# KiCad board Engine.kicad_pcb (continued)
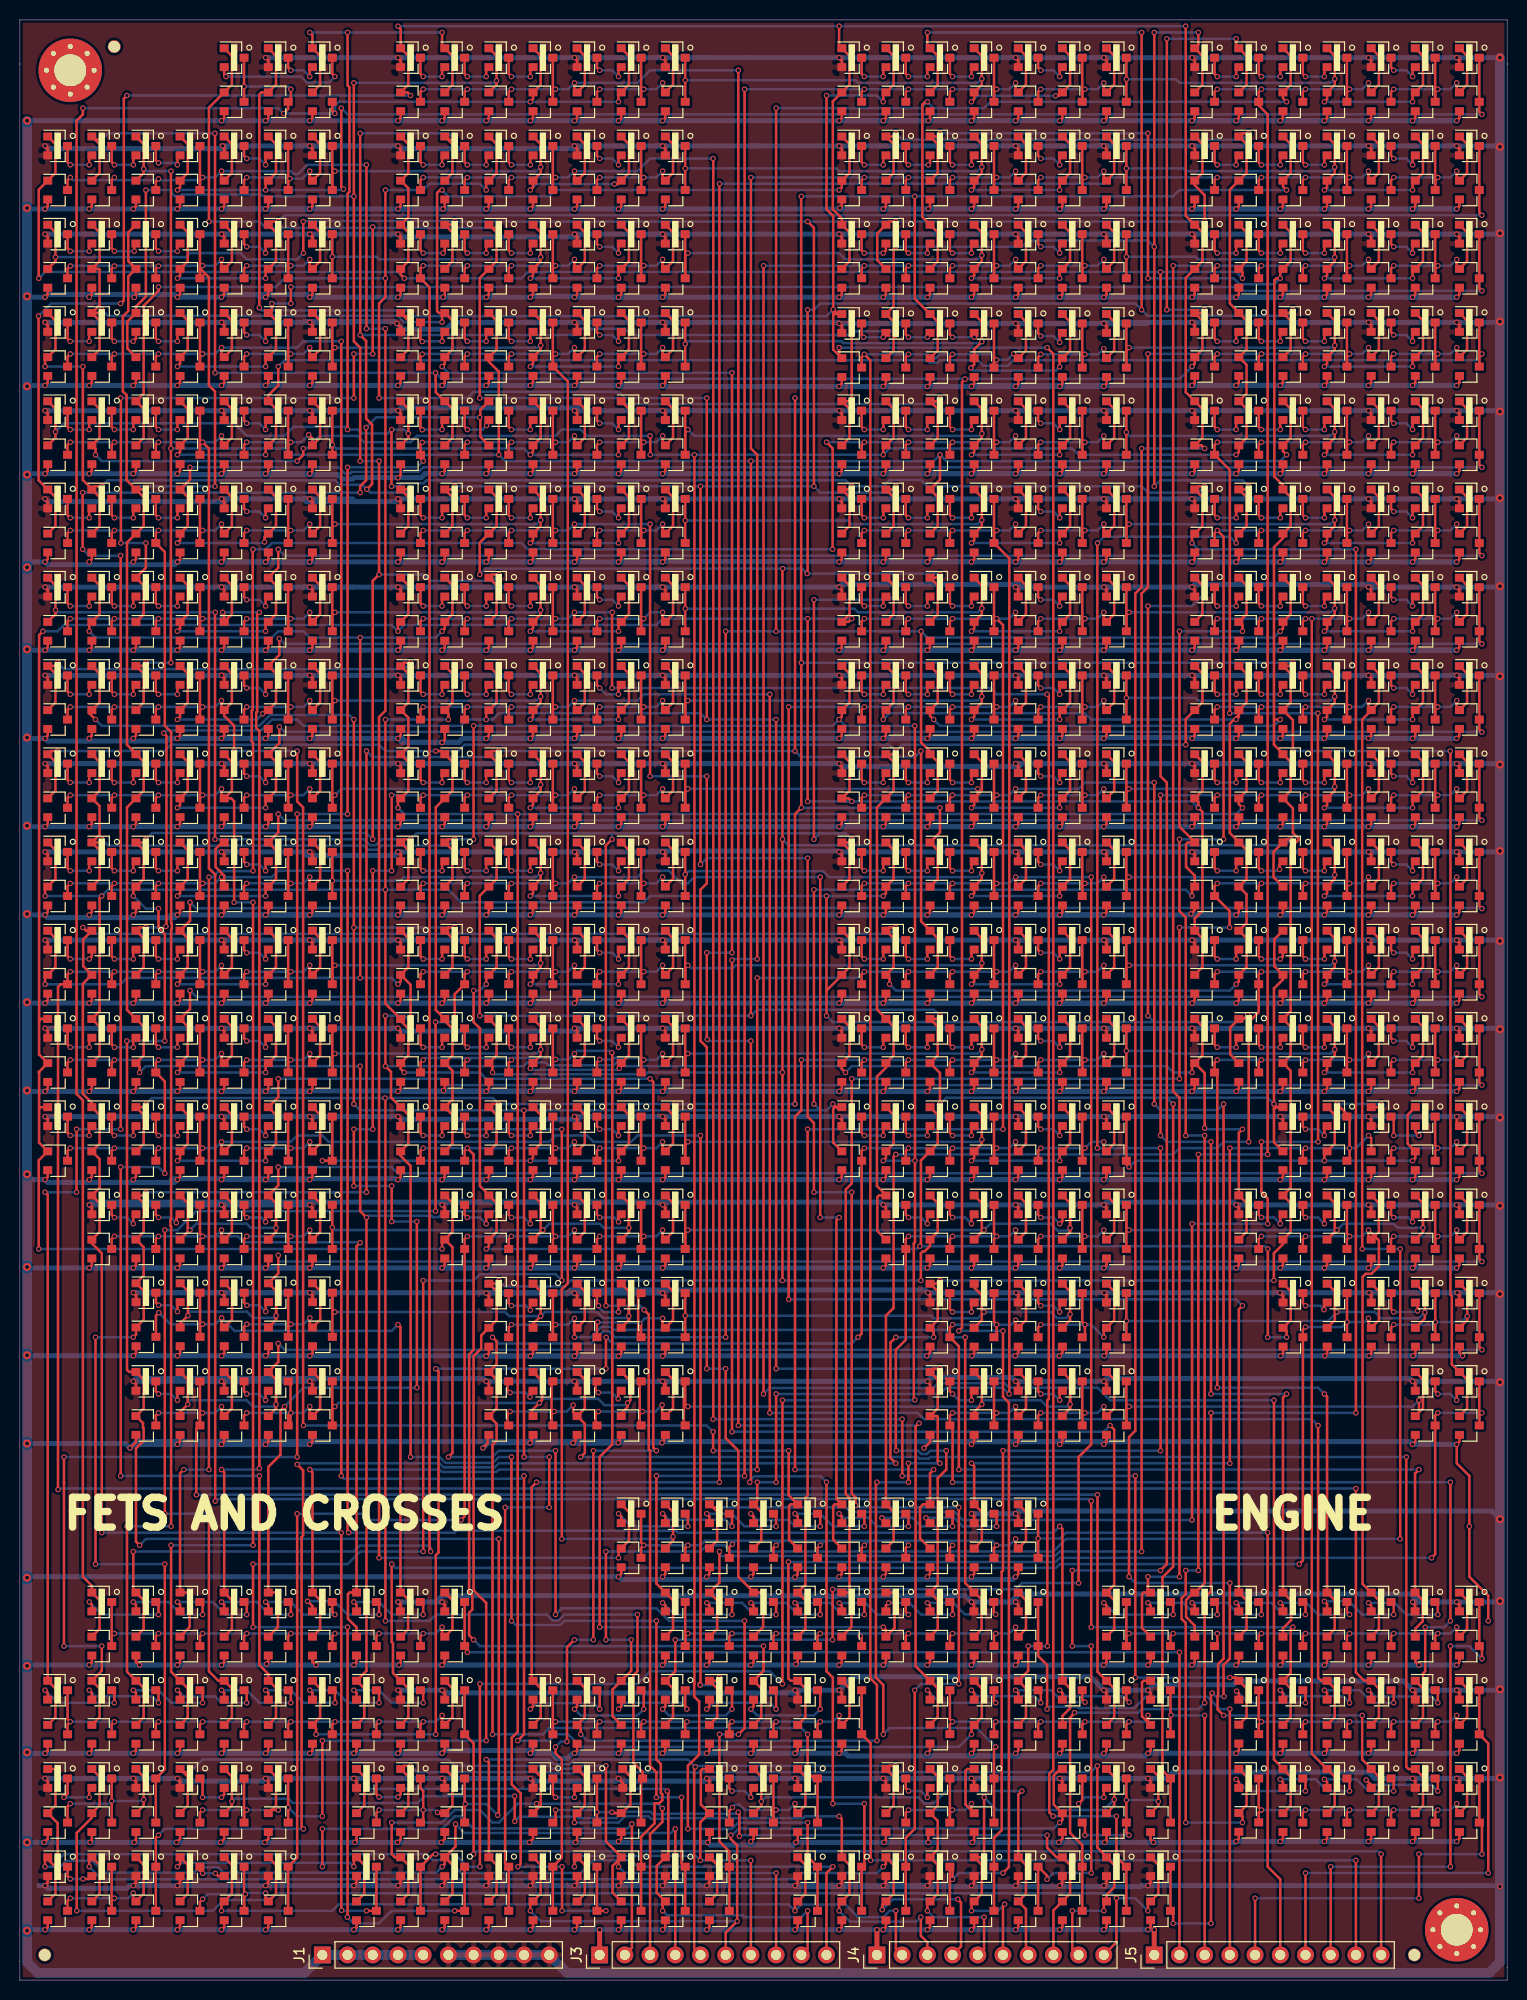
[diagram p0: board, top side]
## Routing (per net, layer and track width the routed paths; a pad name or vN(x,y) marks a point on that pad's centre or on a via; arc(x,y) is an arc through that point) (continued)
GND: length 5057.8
  Top w0.25: v1(55.88,5.08) 56.15,5.35 Q8.2 ; Q18.2 33.92,5.35 v1(33.66,5.08) ; Q16.2 38.37,5.35 v1(38.1,5.08) ; Q14.2 42.81,5.35 v1(42.54,5.08) ; v1(51.43,5.08) 51.7,5.35 Q10.2 ; Q12.2 47.26,5.35 v1(46.99,5.08) ; v1(60.32,5.08) 60.59,5.35 Q6.2 ; Q4.2 65.04,5.35 v1(64.77,5.08) ; Q2.2 69.48,5.35 v1(69.22,5.08) ; v1(100.33,5.08) 100.6,5.35 Q26.2 ; Q36.2 78.38,5.35 v1(78.11,5.08) ; Q34.2 82.82,5.35 v1(82.55,5.08) ; Q32.2 87.27,5.35 v1(87,5.08) ; v1(95.89,5.08) 96.16,5.35 Q28.2 ; Q30.2 91.71,5.35 v1(91.44,5.08) ; v1(104.78,5.08) 105.05,5.35 Q24.2 ; Q22.2 109.49,5.35 v1(109.22,5.08) ; Q20.2 113.94,5.35 v1(113.67,5.08) ; v1(122.55,71.75) 122.83,72.02 Q243.2 ; v1(127,71.75) 127.27,72.02 Q244.2 ; v1(131.44,71.75) 131.72,72.02 Q248.2 ; v1(135.89,71.75) 136.16,72.02 Q239.2 ; v1(140.33,71.75) 140.6,72.02 Q242.2 ; v1(144.78,71.75) 145.05,72.02 Q238.2 ; v1(6.99,71.75) 7.26,72.02 Q255.2 ; v1(11.43,71.75) 11.7,72.02 Q256.2 ; v1(15.87,71.75) 16.15,72.02 Q260.2 ; v1(20.32,71.75) 20.59,72.02 Q251.2 ; v1(24.77,71.75) 25.03,72.02 Q254.2 ; v1(29.21,71.75) 29.48,72.02 Q250.2 ; v1(87,71.75) 87.27,72.02 Q279.2 ; v1(91.44,71.75) 91.71,72.02 Q280.2 ; v1(95.89,71.75) 96.16,72.02 Q284.2 ; v1(100.33,71.75) 100.6,72.02 Q275.2 ; v1(104.78,71.75) 105.05,72.02 Q278.2 ; v1(109.22,71.75) 109.49,72.02 Q274.2 ; Q287.2 20.6,63.17 v1(20.33,62.9) ; v1(24.78,62.9) 25.05,63.17 Q290.2 ; v1(11.44,62.9) 11.71,63.17 Q291.2 ; v1(15.89,62.9) 16.16,63.17 Q294.2 ; Q297.2 56.15,63.13 v1(55.88,62.86) ; v1(60.32,62.86) 60.59,63.13 Q300.2 ; v1(46.99,62.86) 47.26,63.13 Q301.2 ; v1(51.43,62.86) 51.7,63.13 Q304.2 ; v1(64.77,62.86) 65.04,63.13 Q296.2 ; Q327.2 20.59,54.25 v1(20.32,53.97) ; v1(24.77,53.97) 25.03,54.25 Q330.2 ; v1(15.87,53.97) 16.15,54.25 Q334.2 ; v1(29.21,53.97) 29.48,54.25 Q326.2 ; Q337.2 100.6,54.25 v1(100.33,53.97) ; v1(104.78,53.97) 105.05,54.25 Q340.2 ; v1(95.89,53.97) 96.16,54.25 Q344.2 ; v1(109.22,53.97) 109.49,54.25 Q336.2 ; 56.02,55.07 56.02,54.38 v1(55.75,54.11) ; Q1000.2 145.05,187.59 v1(144.78,187.32) ; Q1001.2 136.16,187.59 v1(135.89,187.32) ; Q1004.2 140.6,187.59 v1(140.33,187.32) ; v1(127,187.32) 127.27,187.59 Q997.2 ; Q992.2 122.83,187.59 v1(122.55,187.32) ; Q998.2 131.72,187.59 v1(131.44,187.32) ; Q991.2 118.38,187.59 v1(118.11,187.32) ; v1(144.78,13.97) 145.05,14.24 145.05,14.92 ; v1(140.33,13.97) 140.6,14.24 140.6,14.92 ; v1(135.89,13.97) 136.16,14.24 136.16,14.92 ; v1(131.44,13.97) 131.72,14.24 131.72,14.92 ; v1(127,13.97) 127.27,14.24 127.27,14.92 ; v1(122.55,13.97) 122.83,14.24 Q150.2 ; v1(131.44,22.86) 131.72,23.13 Q91.2 ; v1(127,22.86) 127.27,23.13 Q95.2 ; v1(140.33,22.86) 140.6,23.13 Q94.2 ; v1(122.55,22.86) 122.83,23.13 Q100.2 ; v1(135.89,22.86) 136.16,23.13 Q99.2 ; v1(144.78,22.86) 145.05,23.13 Q102.2 ; v1(104.78,22.86) 105.05,23.13 Q195.2 ; Q190.2 109.49,23.13 v1(109.22,22.86) ; Q187.2 100.6,23.13 v1(100.33,22.86) ; Q196.2 91.71,23.13 v1(91.44,22.86) ; v1(95.89,22.86) 96.16,23.13 Q191.2 ; v1(113.67,22.86) 113.94,23.13 Q198.2 ; 29.48,32.02 29.48,32.7 29.48,32.11 v1(29.84,31.75) ; 11.7,32.02 11.7,32.7 11.7,32.11 v1(12.06,31.75) ; 145.05,32.7 145.05,32.02 v1(144.78,31.75) ; 140.6,32.02 140.6,32.7 140.6,32.11 v1(140.97,31.75) ; Q218.2 2.81,23.13 v1(2.54,22.86) ; Q957.2 38.37,187.59 v1(38.1,187.32) ; v1(42.54,187.32) 42.81,187.59 Q958.2 ; Q963.2 47.26,187.59 v1(46.99,187.32) ; Q964.2 51.7,187.59 v1(51.43,187.32) ; Q967.2 56.15,187.59 v1(55.88,187.32) ; Q970.2 60.59,187.59 v1(60.32,187.32) ; Q966.2 65.04,187.59 v1(64.77,187.32) ; Q977.2 82.82,187.59 v1(82.55,187.32) ; v1(87,187.32) 87.27,187.59 Q978.2 ; Q984.2 96.16,187.59 v1(95.89,187.32) ; Q987.2 100.6,187.59 v1(100.33,187.32) ; Q990.2 105.05,187.59 v1(104.78,187.32) ; Q986.2 109.49,187.59 v1(109.22,187.32) ; Q1005.2 2.81,178.7 v1(2.54,178.44) ; v1(6.99,178.44) 7.26,178.7 Q1006.2 ; Q1011.2 11.7,178.7 v1(11.43,178.44) ; Q1012.2 16.15,178.7 v1(15.87,178.44) ; Q1015.2 20.59,178.7 v1(20.32,178.44) ; Q1018.2 25.03,178.7 v1(24.77,178.44) ; Q1014.2 29.48,178.7 v1(29.21,178.44) ; Q1019.2 38.37,178.7 v1(38.1,178.44) ; Q1025.2 47.26,178.7 v1(46.99,178.44) ; Q1026.2 51.7,178.7 v1(51.43,178.44) ; Q1029.2 56.15,178.7 v1(55.88,178.44) ; Q1032.2 60.59,178.7 v1(60.32,178.44) ; Q1028.2 65.04,178.7 v1(64.77,178.44) ; v1(87,178.44) 87.27,178.7 Q1034.2 ; Q1040.2 96.16,178.7 v1(95.89,178.44) ; Q1043.2 100.6,178.7 v1(100.33,178.44) ; Q1046.2 105.05,178.7 v1(104.78,178.44) ; Q1042.2 109.49,178.7 v1(109.22,178.44) ; Q1047.2 118.38,178.7 v1(118.11,178.44) ; v1(122.55,178.44) 122.83,178.7 Q1048.2 ; Q1053.2 127.27,178.7 v1(127,178.44) ; Q1054.2 131.72,178.7 v1(131.44,178.44) ; Q1057.2 136.16,178.7 v1(135.89,178.44) ; Q1060.2 140.6,178.7 v1(140.33,178.44) ; Q1056.2 145.05,178.7 v1(144.78,178.44) ; Q1061.2 2.81,169.81 v1(2.54,169.54) ; v1(6.99,169.54) 7.26,169.81 Q1062.2 ; Q1068.2 16.15,169.81 v1(15.87,169.54) ; Q1071.2 20.59,169.81 v1(20.32,169.54) ; Q1074.2 25.03,169.81 v1(24.77,169.54) ; Q1070.2 29.48,169.81 v1(29.21,169.54) ; Q495.2 82.82,116.47 v1(82.55,116.2) ; v1(87,116.2) 87.27,116.47 Q496.2 ; Q501.2 91.71,116.47 v1(91.44,116.2) ; Q502.2 96.16,116.47 v1(95.89,116.2) ; Q505.2 100.6,116.47 v1(100.33,116.2) ; Q508.2 105.05,116.47 v1(104.78,116.2) ; Q504.2 109.49,116.47 v1(109.22,116.2) ; Q509.2 118.38,116.47 v1(118.11,116.2) ; v1(122.55,116.2) 122.83,116.47 Q510.2 ; Q515.2 127.27,116.47 v1(127,116.2) ; Q516.2 131.72,116.47 v1(131.44,116.2) ; Q519.2 136.16,116.47 v1(135.89,116.2) ; Q522.2 140.6,116.47 v1(140.33,116.2) ; Q518.2 145.05,116.47 v1(144.78,116.2) ; Q523.2 38.37,107.58 v1(38.1,107.31) ; v1(42.54,107.31) 42.81,107.58 Q524.2 ; Q529.2 47.26,107.58 v1(46.99,107.31) ; Q530.2 51.7,107.58 v1(51.43,107.31) ; Q533.2 56.15,107.58 v1(55.88,107.31) ; Q536.2 60.59,107.58 v1(60.32,107.31) ; Q532.2 65.04,107.58 v1(64.77,107.31) ; Q537.2 82.82,107.58 v1(82.55,107.31) ; v1(87,107.31) 87.27,107.58 Q538.2 ; Q543.2 91.71,107.58 v1(91.44,107.31) ; Q544.2 96.16,107.58 v1(95.89,107.31) ; Q547.2 100.6,107.58 v1(100.33,107.31) ; Q550.2 105.05,107.58 v1(104.78,107.31) ; Q546.2 109.49,107.58 v1(109.22,107.31) ; Q551.2 2.81,98.69 v1(2.54,98.42) ; v1(6.99,98.42) 7.26,98.69 Q552.2 ; Q557.2 11.7,98.69 v1(11.43,98.42) ; Q558.2 16.15,98.69 v1(15.87,98.42) ; Q561.2 20.59,98.69 v1(20.32,98.42) ; Q564.2 25.03,98.69 v1(24.77,98.42) ; Q560.2 29.48,98.69 v1(29.21,98.42) ; Q565.2 38.37,98.69 v1(38.1,98.42) ; v1(42.54,98.42) 42.81,98.69 Q566.2 ; Q571.2 47.26,98.69 v1(46.99,98.42) ; Q572.2 51.7,98.69 v1(51.43,98.42) ; Q575.2 56.15,98.69 v1(55.88,98.42) ; Q578.2 60.59,98.69 v1(60.32,98.42) ; Q574.2 65.04,98.69 v1(64.77,98.42) ; Q579.2 2.81,107.58 v1(2.54,107.31) ; v1(6.99,107.31) 7.26,107.58 Q580.2 ; Q585.2 11.7,107.58 v1(11.43,107.31) ; Q586.2 16.15,107.58 v1(15.87,107.31) ; Q589.2 20.59,107.58 v1(20.32,107.31) ; Q592.2 25.03,107.58 v1(24.77,107.31) ; Q588.2 29.48,107.58 v1(29.21,107.31) ; v1(122.55,107.31) 122.83,107.58 Q594.2 ; Q599.2 127.27,107.58 v1(127,107.31) ; Q600.2 131.72,107.58 v1(131.44,107.31) ; Q603.2 136.16,107.58 v1(135.89,107.31) ; Q606.2 140.6,107.58 v1(140.33,107.31) ; Q602.2 145.05,107.58 v1(144.78,107.31) ; Q607.2 38.37,116.47 v1(38.1,116.2) ; v1(42.54,116.2) 42.81,116.47 Q608.2 ; Q613.2 47.26,116.47 v1(46.99,116.2) ; Q614.2 51.7,116.47 v1(51.43,116.2) ; Q617.2 56.15,116.47 v1(55.88,116.2) ; Q620.2 60.59,116.47 v1(60.32,116.2) ; Q616.2 65.04,116.47 v1(64.77,116.2) ; Q915.2 118.38,160.92 v1(118.11,160.66) ; v1(122.55,160.66) 122.83,160.92 Q916.2 ; Q921.2 127.27,160.92 v1(127,160.66) ; Q922.2 131.72,160.92 v1(131.44,160.66) ; Q925.2 136.16,160.92 v1(135.89,160.66) ; Q928.2 140.6,160.92 v1(140.33,160.66) ; Q924.2 145.05,160.92 v1(144.78,160.66) ; Q929.2 2.81,152.03 v1(2.54,151.76) ; v1(6.99,151.76) 7.26,152.03 Q930.2 ; Q935.2 11.7,152.03 v1(11.43,151.76) ; Q936.2 16.15,152.03 v1(15.87,151.76) ; Q939.2 20.59,152.03 v1(20.32,151.76) ; Q942.2 25.03,152.03 v1(24.77,151.76) ; Q938.2 29.48,152.03 v1(29.21,151.76) ; v1(42.54,151.76) 42.81,152.03 Q944.2 ; Q949.2 47.26,152.03 v1(46.99,151.76) ; Q950.2 51.7,152.03 v1(51.43,151.76) ; Q953.2 56.15,152.03 v1(55.88,151.76) ; Q956.2 60.59,152.03 v1(60.32,151.76) ; Q952.2 65.04,152.03 v1(64.77,151.76) ; Q831.2 38.37,169.81 v1(38.1,169.54) ; Q837.2 47.26,169.81 v1(46.99,169.54) ; Q838.2 51.7,169.81 v1(51.43,169.54) ; Q841.2 56.15,169.81 v1(55.88,169.54) ; Q844.2 60.59,169.81 v1(60.32,169.54) ; Q840.2 65.04,169.81 v1(64.77,169.54) ; Q845.2 82.82,169.81 v1(82.55,169.54) ; v1(87,169.54) 87.27,169.81 Q846.2 ; Q851.2 91.71,169.81 v1(91.44,169.54) ; Q852.2 96.16,169.81 v1(95.89,169.54) ; Q855.2 100.6,169.81 v1(100.33,169.54) ; Q858.2 105.05,169.81 v1(104.78,169.54) ; Q854.2 109.49,169.81 v1(109.22,169.54) ; Q859.2 118.38,169.81 v1(118.11,169.54) ; v1(122.55,169.54) 122.83,169.81 Q860.2 ; Q865.2 127.27,169.81 v1(127,169.54) ; Q866.2 131.72,169.81 v1(131.44,169.54) ; Q869.2 136.16,169.81 v1(135.89,169.54) ; Q872.2 140.6,169.81 v1(140.33,169.54) ; Q868.2 145.05,169.81 v1(144.78,169.54) ; Q873.2 2.81,160.92 v1(2.54,160.66) ; v1(6.99,160.66) 7.26,160.92 Q874.2 ; Q879.2 11.7,160.92 v1(11.43,160.66) ; Q880.2 16.15,160.92 v1(15.87,160.66) ; Q883.2 20.59,160.92 v1(20.32,160.66) ; Q886.2 25.03,160.92 v1(24.77,160.66) ; Q882.2 29.48,160.92 v1(29.21,160.66) ; Q887.2 38.37,160.92 v1(38.1,160.66) ; v1(42.54,160.66) 42.81,160.92 Q888.2 ; Q893.2 47.26,160.92 v1(46.99,160.66) ; Q894.2 51.7,160.92 v1(51.43,160.66) ; Q897.2 56.15,160.92 v1(55.88,160.66) ; Q900.2 60.59,160.92 v1(60.32,160.66) ; Q896.2 65.04,160.92 v1(64.77,160.66) ; Q901.2 82.82,160.82 v1(82.55,160.55) ; v1(87,160.55) 87.27,160.82 Q902.2 ; Q907.2 91.71,160.82 v1(91.44,160.55) ; Q908.2 96.16,160.82 v1(95.89,160.55) ; Q911.2 100.6,160.82 v1(100.33,160.55) ; Q914.2 105.05,160.82 v1(104.78,160.55) ; Q910.2 109.49,160.82 v1(109.22,160.55) ; Q747.2 82.82,152.03 v1(82.55,151.76) ; v1(87,151.76) 87.27,152.03 Q748.2 ; Q753.2 91.71,152.03 v1(91.44,151.76) ; Q754.2 96.16,152.03 v1(95.89,151.76) ; Q757.2 100.6,152.03 v1(100.33,151.76) ; Q760.2 105.05,152.03 v1(104.78,151.76) ; Q756.2 109.49,152.03 v1(109.22,151.76) ; Q761.2 118.38,152.03 v1(118.11,151.76) ; v1(122.55,151.76) 122.83,152.03 Q762.2 ; Q767.2 127.27,152.03 v1(127,151.76) ; Q768.2 131.72,152.03 v1(131.44,151.76) ; Q771.2 136.16,152.03 v1(135.89,151.76) ; Q774.2 140.6,152.03 v1(140.33,151.76) ; Q770.2 145.05,152.03 v1(144.78,151.76) ; Q775.2 2.81,143.14 v1(2.54,142.88) ; v1(6.99,142.88) 7.26,143.14 Q776.2 ; Q781.2 11.7,143.14 v1(11.43,142.88) ; Q782.2 16.15,143.14 v1(15.87,142.88) ; Q785.2 20.59,143.14 v1(20.32,142.88) ; Q788.2 25.03,143.14 v1(24.77,142.88) ; Q784.2 29.48,143.14 v1(29.21,142.88) ; Q789.2 38.37,143.14 v1(38.1,142.88) ; v1(42.54,142.88) 42.81,143.14 Q790.2 ; Q795.2 47.26,143.14 v1(46.99,142.88) ; Q796.2 51.7,143.14 v1(51.43,142.88) ; Q799.2 56.15,143.14 v1(55.88,142.88) ; Q802.2 60.59,143.14 v1(60.32,142.88) ; Q798.2 65.04,143.14 v1(64.77,142.88) ; Q803.2 82.82,143.14 v1(82.55,142.88) ; v1(87,142.88) 87.27,143.14 Q804.2 ; Q809.2 91.71,143.14 v1(91.44,142.88) ; Q810.2 96.16,143.14 v1(95.89,142.88) ; Q813.2 100.6,143.14 v1(100.33,142.88) ; Q816.2 105.05,143.14 v1(104.78,142.88) ; Q812.2 109.49,143.14 v1(109.22,142.88) ; Q817.2 118.38,143.14 v1(118.11,142.88) ; v1(122.55,142.88) 122.83,143.14 Q818.2 ; Q823.2 127.27,143.14 v1(127,142.88) ; Q824.2 131.72,143.14 v1(131.44,142.88) ; Q827.2 136.16,143.14 v1(135.89,142.88) ; Q830.2 140.6,143.14 v1(140.33,142.88) ; Q826.2 145.05,143.14 v1(144.78,142.88) ; Q411.2 82.82,98.69 v1(82.55,98.42) ; v1(87,98.42) 87.27,98.69 Q412.2 ; Q417.2 91.71,98.69 v1(91.44,98.42) ; Q418.2 96.16,98.69 v1(95.89,98.42) ; Q421.2 100.6,98.69 v1(100.33,98.42) ; Q424.2 105.05,98.69 v1(104.78,98.42) ; Q420.2 109.49,98.69 v1(109.22,98.42) ; Q425.2 118.38,98.69 v1(118.11,98.42) ; v1(122.55,98.42) 122.83,98.69 Q426.2 ; Q431.2 127.27,98.69 v1(127,98.42) ; Q432.2 131.72,98.69 v1(131.44,98.42) ; Q435.2 136.16,98.69 v1(135.89,98.42) ; Q438.2 140.6,98.69 v1(140.33,98.42) ; Q434.2 145.05,98.69 v1(144.78,98.42) ; Q439.2 2.81,89.8 v1(2.54,89.53) ; v1(6.99,89.53) 7.26,89.8 Q440.2 ; Q445.2 11.7,89.8 v1(11.43,89.53) ; Q446.2 16.15,89.8 v1(15.87,89.53) ; Q449.2 20.59,89.8 v1(20.32,89.53) ; Q452.2 25.03,89.8 v1(24.77,89.53) ; Q448.2 29.48,89.8 v1(29.21,89.53) ; Q453.2 38.37,89.8 v1(38.1,89.53) ; Q459.2 47.26,89.8 v1(46.99,89.53) ; Q460.2 51.7,89.8 v1(51.43,89.53) ; Q463.2 56.15,89.8 v1(55.88,89.53) ; Q466.2 60.59,89.8 v1(60.32,89.53) ; Q462.2 65.04,89.8 v1(64.77,89.53) ; Q467.2 82.82,89.8 v1(82.55,89.53) ; v1(87,89.53) 87.27,89.8 Q468.2 ; Q473.2 91.71,89.8 v1(91.44,89.53) ; Q474.2 96.16,89.8 v1(95.89,89.53) ; Q477.2 100.6,89.8 v1(100.33,89.53) ; Q480.2 105.05,89.8 v1(104.78,89.53) ; Q476.2 109.49,89.8 v1(109.22,89.53) ; Q481.2 118.38,89.8 v1(118.11,89.53) ; v1(122.55,89.53) 122.83,89.8 Q482.2 ; Q487.2 127.27,89.8 v1(127,89.53) ; Q488.2 131.72,89.8 v1(131.44,89.53) ; Q491.2 136.16,89.8 v1(135.89,89.53) ; Q494.2 140.6,89.8 v1(140.33,89.53) ; Q490.2 145.05,89.8 v1(144.78,89.53) ; Q621.2 2.81,134.25 v1(2.54,133.98) ; v1(6.99,133.98) 7.26,134.25 Q622.2 ; Q627.2 11.7,134.25 v1(11.43,133.98) ; Q628.2 16.15,134.25 v1(15.87,133.98) ; Q631.2 20.59,134.25 v1(20.32,133.98) ; Q634.2 25.03,134.25 v1(24.77,133.98) ; Q630.2 29.48,134.25 v1(29.21,133.98) ; Q635.2 38.37,134.25 v1(38.1,133.98) ; v1(42.54,133.98) 42.81,134.25 Q636.2 ; Q641.2 47.26,134.25 v1(46.99,133.98) ; Q642.2 51.7,134.25 v1(51.43,133.98) ; Q645.2 56.15,134.25 v1(55.88,133.98) ; Q648.2 60.59,134.25 v1(60.32,133.98) ; Q644.2 65.04,134.25 v1(64.77,133.98) ; Q649.2 82.82,134.25 v1(82.55,133.98) ; v1(87,133.98) 87.27,134.25 Q650.2 ; Q655.2 91.71,134.25 v1(91.44,133.98) ; Q656.2 96.16,134.25 v1(95.89,133.98) ; Q659.2 100.6,134.25 v1(100.33,133.98) ; Q662.2 105.05,134.25 v1(104.78,133.98) ; Q658.2 109.49,134.25 v1(109.22,133.98) ; Q663.2 118.38,134.25 v1(118.11,133.98) ; v1(122.55,133.98) 122.83,134.25 Q664.2 ; Q669.2 127.27,134.25 v1(127,133.98) ; Q670.2 131.72,134.25 v1(131.44,133.98) ; Q673.2 136.16,134.25 v1(135.89,133.98) ; Q676.2 140.6,134.25 v1(140.33,133.98) ; Q672.2 145.05,134.25 v1(144.78,133.98) ; Q677.2 2.81,125.36 v1(2.54,125.09) ; v1(6.99,125.09) 7.26,125.36 Q678.2 ; Q683.2 11.7,125.36 v1(11.43,125.09) ; Q684.2 16.15,125.36 v1(15.87,125.09) ; Q687.2 20.59,125.36 v1(20.32,125.09) ; Q690.2 25.03,125.36 v1(24.77,125.09) ; Q686.2 29.48,125.36 v1(29.21,125.09) ; Q691.2 38.37,125.36 v1(38.1,125.09) ; Q697.2 47.26,125.36 v1(46.99,125.09) ; Q698.2 51.7,125.36 v1(51.43,125.09) ; Q701.2 56.15,125.36 v1(55.88,125.09) ; Q704.2 60.59,125.36 v1(60.32,125.09) ; Q700.2 65.04,125.36 v1(64.77,125.09) ; Q705.2 82.82,125.36 v1(82.55,125.09) ; v1(87,125.09) 87.27,125.36 Q706.2 ; Q711.2 91.71,125.36 v1(91.44,125.09) ; Q712.2 96.16,125.36 v1(95.89,125.09) ; Q715.2 100.6,125.36 v1(100.33,125.09) ; Q718.2 105.05,125.36 v1(104.78,125.09) ; Q714.2 109.49,125.36 v1(109.22,125.09) ; Q719.2 118.38,125.36 v1(118.11,125.09) ; v1(122.55,125.09) 122.83,125.36 Q720.2 ; Q725.2 127.27,125.36 v1(127,125.09) ; Q726.2 131.72,125.36 v1(131.44,125.09) ; Q729.2 136.16,125.36 v1(135.89,125.09) ; Q732.2 140.6,125.36 v1(140.33,125.09) ; Q728.2 145.05,125.36 v1(144.78,125.09) ; Q733.2 2.81,116.47 v1(2.54,116.2) ; v1(6.99,116.2) 7.26,116.47 Q734.2 ; Q739.2 11.7,116.47 v1(11.43,116.2) ; Q740.2 16.15,116.47 v1(15.87,116.2) ; Q743.2 20.59,116.47 v1(20.32,116.2) ; Q746.2 25.03,116.47 v1(24.77,116.2) ; Q742.2 29.48,116.47 v1(29.21,116.2) ; Q359.2 2.81,80.91 v1(2.54,80.64) ; v1(6.99,80.64) 7.26,80.91 Q360.2 ; Q365.2 11.7,80.91 v1(11.43,80.64) ; Q366.2 16.15,80.91 v1(15.87,80.64) ; Q369.2 20.59,80.91 v1(20.32,80.64) ; Q372.2 25.03,80.91 v1(24.77,80.64) ; Q368.2 29.48,80.91 v1(29.21,80.64) ; Q373.2 38.37,80.91 v1(38.1,80.64) ; v1(42.54,80.64) 42.81,80.91 Q374.2 ; Q379.2 47.26,80.91 v1(46.99,80.64) ; Q380.2 51.7,80.91 v1(51.43,80.64) ; Q383.2 56.15,80.91 v1(55.88,80.64) ; Q386.2 60.59,80.91 v1(60.32,80.64) ; Q382.2 65.04,80.91 v1(64.77,80.64) ; Q387.2 82.82,80.91 v1(82.55,80.64) ; v1(87,80.64) 87.27,80.91 Q388.2 ; Q393.2 91.71,80.91 v1(91.44,80.64) ; Q394.2 96.16,80.91 v1(95.89,80.64) ; Q397.2 100.6,80.91 v1(100.33,80.64) ; Q400.2 105.05,80.91 v1(104.78,80.64) ; Q396.2 109.49,80.91 v1(109.22,80.64) ; v1(2.54,5.08) 2.81,5.35 Q75.2 ; Q206.2 11.7,23.13 v1(11.43,22.86) ; v1(38.1,151.35) 38.37,151.62 Q943.2 ; Q126.2 96.16,40.91 v1(95.89,40.64) ; v1(38.1,22.86) 38.37,23.13 Q204.2 ; v1(6.99,22.86) 7.26,23.13 Q212.2 ; 38.37,14.92 38.37,14.18 v1(38.07,13.88) ; 16.15,14.92 16.15,14.24 v1(15.78,13.88) ; v1(78.11,22.86) 78.38,23.13 Q182.2 ; v1(91.4,62.9) 91.71,63.21 Q311.2 ; Q307.2 100.6,63.2 v1(100.3,62.9) ; v1(69.22,22.86) 69.48,23.13 Q177.2 ; Q122.2 100.6,40.91 v1(100.33,40.64) ; Q90.2 20.59,5.35 v1(20.32,5.08) ; v1(140.37,62.9) 140.62,63.14 Q320.2 ; v1(29.22,62.9) 29.49,63.17 Q286.2 ; v1(87,31.75) 87.27,32.02 87.27,32.7 ; 113.94,14.92 113.94,14.15 v1(114.21,13.88) ; 60.46,55.07 60.46,54.31 v1(60.29,54.14) ; v1(64.77,40.64) 65.04,40.91 Q134.2 ; v1(113.67,31.75) 113.94,32.02 113.94,32.7 ; v1(69.22,31.75) 69.48,32.02 69.48,32.7 ; v1(73.66,40.64) 73.93,40.91 Q139.2 ; Q86.2 25.03,5.35 v1(24.77,5.08) ; Q972.2 29.48,187.59 v1(29.21,187.32) ; v1(78.19,31.83) 78.38,32.02 78.38,32.7 ; Q310.2 105.05,63.21 v1(104.74,62.9) ; v1(127,80.64) 127.27,80.91 Q407.2 ; v1(144.78,80.64) 145.05,80.91 Q402.2 ; v1(51.43,22.86) 51.7,23.13 Q184.2 ; v1(82.55,22.86) 82.82,23.13 Q186.2 ; v1(91.54,178.44) 91.71,178.61 Q1039.2 ; Q358.2 145.05,54.25 v1(144.78,53.97) 144.78,52.07 146.05,50.8 v1(146.05,45.72) 146.05,40.64 147.95,38.73 v1(147.95,36.19) ; 73.93,32.7 73.93,32.02 v1(73.66,31.75) ; Q183.2 65.04,23.13 v1(64.77,22.86) ; v1(15.87,22.86) 16.15,23.13 Q217.2 ; Q267.2 42.81,72.02 v1(42.54,71.75) ; v1(33.66,31.75) 33.92,32.02 33.92,32.7 ; 51.7,14.92 51.7,14.24 v1(51.34,13.88) ; Q127.2 82.82,40.91 v1(82.55,40.64) ; 109.49,14.92 109.49,14.06 v1(109.31,13.88) ; v1(55.88,71.75) 56.15,72.02 Q263.2 ; 64.91,55.07 64.91,54.33 v1(64.71,54.14) ; 109.49,32.7 109.49,32.02 v1(109.22,31.75) ; v1(140.33,80.64) 140.6,80.91 Q406.2 ; 33.92,14.92 33.92,14.06 v1(33.75,13.88) ; Q78.2 7.26,5.35 v1(6.99,5.08) ; Q321.2 127.28,63.14 v1(127.04,62.9) ; v1(109.26,62.9) 109.49,63.13 Q306.2 ; 20.59,14.92 20.59,14.24 v1(20.23,13.88) ; 7.26,32.7 7.26,32.02 v1(6.99,31.75) ; 78.38,14.92 78.38,14.06 v1(78.2,13.88) ; 127.27,32.7 127.27,32.02 v1(127,31.75) ; v1(46.66,53.6) 47.13,54.07 47.13,55.07 ; Q1067.2 11.7,169.7 v1(11.53,169.53) ; v1(20.32,31.75) 20.59,32.02 20.59,32.7 ; 7.26,14.92 7.26,14.06 v1(7.08,13.88) ; v1(46.99,71.75) 47.26,72.02 Q268.2 ; 105.05,14.92 105.05,14.24 v1(104.68,13.88) ; Q331.2 11.7,54.2 v1(11.1,53.6) ; Q172.2 73.93,23.13 v1(73.66,22.86) ; 25.03,14.92 25.03,14.24 v1(24.67,13.88) ; Q1033.2 82.82,178.74 v1(82.62,178.54) ; v1(15.87,5.08) 16.15,5.35 Q87.2 ; v1(42.64,178.44) 42.81,178.61 Q1020.2 ; v1(42.54,22.86) 42.81,23.13 Q200.2 ; 73.93,14.92 73.93,14.24 v1(73.66,13.97) ; v1(24.77,22.86) 25.03,23.13 Q205.2 ; Q74.2 11.7,5.35 v1(11.43,5.08) ; 69.48,14.92 69.48,14.06 v1(69.31,13.88) ; v1(135.89,31.75) 136.16,32.02 136.16,32.7 ; 118.38,32.7 118.38,32.02 v1(118.11,31.75) ; v1(95.92,62.9) 96.16,63.13 Q314.2 ; v1(91.54,187.32) 91.71,187.5 Q983.2 ; Q211.2 20.59,23.13 v1(20.32,22.86) ; Q324.2 131.73,63.14 v1(131.48,62.9) ; v1(135.93,62.9) 136.17,63.14 Q317.2 ; Q593.2 118.38,107.8 v1(118,107.42) ; v1(51.4,54.11) 51.57,54.28 51.57,55.07 ; Q178.2 56.15,23.13 v1(55.88,22.86) ; v1(11.52,13.88) 11.7,14.06 11.7,14.92 ; v1(78.1,40.59) 78.38,40.87 Q133.2 ; Q976.2 20.59,187.59 v1(20.32,187.32) ; v1(2.45,13.88) 2.81,14.24 2.81,14.92 ; 91.71,32.7 91.71,32.02 v1(91.44,31.75) ; v1(42.54,31.75) 42.81,32.02 42.81,32.7 ; v1(91.11,53.6) 91.71,54.2 Q341.2 ; v1(42.45,13.88) 42.81,14.24 42.81,14.92 ; 16.15,32.7 16.15,32.02 v1(15.87,31.75) ; Q454.2 42.81,89.74 v1(42.68,89.61) ; v1(100.33,31.75) 100.6,32.02 100.6,32.7 ; v1(29.21,22.86) 29.48,23.13 Q216.2 ; v1(91.53,13.88) 91.53,14.7 91.71,14.88 91.71,14.92 ; v1(55.97,13.88) 56.15,14.06 56.15,14.92 ; 25.03,32.7 25.03,32.02 v1(24.87,31.86) ; v1(131.44,31.75) 131.72,32.02 131.72,32.7 ; Q316.2 145.06,63.21 v1(145.38,62.9) ; v1(64.77,31.75) 65.04,32.02 65.04,32.7 ; Q403.2 136.16,80.91 v1(135.89,80.64) ; 87.27,14.92 87.27,14.06 v1(87.09,13.88) ; 96.16,14.92 96.16,14.06 v1(95.98,13.88) ; Q210.2 33.92,23.13 v1(33.66,22.86) ; 96.16,32.7 96.16,32.02 v1(95.89,31.75) ; 60.59,14.92 60.59,14.24 v1(60.32,13.97) ; Q140.2 60.59,40.91 v1(60.32,40.64) ; v1(140.33,53.97) 140.6,54.25 Q355.2 ; Q173.2 60.59,23.13 v1(60.32,22.86) ; v1(82.55,31.75) 82.82,32.02 82.82,32.7 ; 122.83,32.7 122.83,32.02 v1(122.55,31.75) ; v1(131.44,80.64) 131.72,80.91 Q410.2 ; Q692.2 42.81,124.95 v1(42.54,124.68) ; v1(42.64,169.54) 42.81,169.72 Q832.2 ; Q138.2 87.27,40.91 v1(87,40.64) ; v1(60.32,71.75) 60.59,72.02 Q266.2 ; Q262.2 65.04,72.02 v1(64.77,71.75) ; Q272.2 51.7,72.02 v1(51.43,71.75) ; Q128.2 69.48,40.91 v1(69.22,40.64) ; 38.37,32.7 38.37,31.92 v1(38.2,31.75) ; v1(24.77,187.32) 25.03,187.59 Q971.2 ; Q132.2 91.71,40.91 v1(91.44,40.64)
  Top w0.5: J4.1 v1(86.36,5.08) ; J5.1 v1(114.3,5.08) ; J3.1 v1(58.42,5.08)
  Bottom w0.25: 79.1,40.37 78.38,40.37 ; v1(11.43,107.31) 11.7,107.04 11.79,107.04 ; v1(6.99,169.54) 6.71,169.82 6.62,169.82 ; v1(104.78,53.97) 105.05,54.25 105.68,54.25 ; v1(95.89,53.97) 96.16,54.25 ; v1(104.78,22.86) 105.05,22.59 105.77,22.59 ; v1(6.99,107.31) 6.71,107.04 6.62,107.04 ; v1(82.62,178.54) 82.62,178.5 82.55,178.44 ; v1(11.53,169.53) 11.23,169.82 11.16,169.82 ; 13.06,80.37 11.7,80.37 v1(11.43,80.64) ; v1(73.66,13.97) 74.03,13.6 74.56,13.6 ; 87.36,40.37 87.27,40.37 v1(87,40.64) ; v1(69.22,40.64) 69.49,40.37 69.58,40.37 ; 92.44,40.37 91.71,40.37 v1(91.44,40.64) ; 65.13,40.37 65.04,40.37 v1(64.77,40.64) ; v1(6.99,80.64) 6.71,80.37 5.35,80.37 ; v1(73.66,40.64) 73.93,40.37 74.02,40.37 ; 100.6,22.59 v1(100.33,22.86) ; 91.8,54.25 91.71,54.25 91.11,53.64 v1(91.11,53.6) ; v1(6.99,125.09) 6.71,124.82 6.62,124.82 ; v1(100.33,53.97) 100.6,54.25 101.33,54.25 ; v1(6.99,142.88) 7.26,142.6 7.35,142.6 ; v1(11.43,142.88) 11.16,142.6 ; v1(109.22,22.86) 109.49,22.59 110.85,22.59 ; v1(11.43,125.09) 11.7,124.82 ; v1(95.89,40.64) 96.16,40.37 96.25,40.37 ; 82.82,40.37 v1(82.55,40.64) ; 96.16,22.59 v1(95.89,22.86)
  Bottom w0.5: v1(122.55,71.75) v1(144.78,71.75) v1(6.99,71.75) ; v1(29.21,71.75) v1(6.99,71.75) ; v1(6.99,71.75) 0.82,71.75 v2(0.73,71.85) ; v1(109.22,71.75) v1(87,71.75) ; v1(24.78,62.9) v1(20.33,62.9) ; v1(60.32,62.86) v1(55.88,62.86) ; v1(64.77,62.86) v1(46.99,62.86) ; v1(24.77,53.97) v1(20.32,53.97) ; v1(131.44,187.32) v1(118.11,187.32) ; v1(144.78,13.97) v1(122.55,13.97) 122.46,13.88 v1(114.21,13.88) v1(109.31,13.88) v1(104.68,13.88) v1(95.98,13.88) v1(91.53,13.88) v1(87.09,13.88) v1(78.2,13.88) 77.92,13.6 69.58,13.6 v1(69.31,13.88) v1(55.97,13.88) v1(51.34,13.88) v1(42.45,13.88) v1(38.07,13.88) v1(33.75,13.88) v1(24.67,13.88) v1(20.23,13.88) v1(15.78,13.88) v1(11.52,13.88) v1(7.08,13.88) v1(2.45,13.88) v2(0.73,13.88) ; v1(144.78,22.86) v1(122.55,22.86) v1(113.67,22.86) 113.39,22.59 91.71,22.59 v1(91.44,22.86) ; v1(51.43,187.32) v1(38.1,187.32) ; v1(60.32,187.32) v1(64.77,187.32) 56.51,187.32 ; v1(60.32,187.32) 59.69,187.32 ; v1(60.32,187.32) v1(100.33,187.32) v1(109.22,187.32) ; v1(95.89,187.32) v1(82.55,187.32) ; v1(109.22,187.32) v1(104.78,187.32) 104.14,187.32 ; v1(109.22,187.32) v1(135.89,187.32) v1(144.78,187.32) v1(140.33,187.32) 139.7,187.32 ; v1(20.32,178.44) v1(29.21,178.44) v1(24.77,178.44) 24.13,178.44 ; v1(51.43,178.44) v1(38.1,178.44) ; v1(60.32,178.44) v1(64.77,178.44) v1(55.88,178.44) v1(15.87,178.44) v1(2.54,178.44) 0.82,178.44 v2(0.73,178.53) ; v1(60.32,178.44) 59.69,178.44 ; v1(60.32,178.44) v1(100.33,178.44) v1(109.22,178.44) v1(104.78,178.44) 104.14,178.44 ; v1(131.44,178.44) v1(118.11,178.44) ; 139.7,178.44 v1(140.33,178.44) v1(144.78,178.44) v1(135.89,178.44) v1(95.89,178.44) 82.73,178.44 v1(82.62,178.54) ; 24.13,169.54 v1(24.77,169.54) 25.04,169.82 28.94,169.82 ; v1(82.55,116.2) v1(95.89,116.2) v1(135.89,116.2) v1(144.78,116.2) v1(140.33,116.2) 139.7,116.2 ; v1(60.32,116.2) v1(100.33,116.2) v1(109.22,116.2) v1(104.78,116.2) 104.14,116.2 ; v1(60.32,116.2) v1(64.77,116.2) v1(55.88,116.2) 15.24,116.2 ; v1(60.32,116.2) 59.69,116.2 ; v1(131.44,116.2) v1(118.11,116.2) ; v1(51.43,107.31) v1(38.1,107.31) ; 15.24,107.31 v1(55.88,107.31) v1(64.77,107.31) v1(60.32,107.31) ; v1(60.32,107.31) 59.69,107.31 ; v1(60.32,107.31) v1(100.33,107.31) v1(109.22,107.31) v1(104.78,107.31) 104.14,107.31 ; v1(82.55,107.31) v1(95.89,107.31) v1(135.89,107.31) v1(144.78,107.31) v1(140.33,107.31) 139.7,107.31 ; v1(15.87,98.42) v1(2.54,98.42) 0.82,98.42 v2(0.73,98.52) ; v1(20.32,98.42) v1(29.21,98.42) v1(24.77,98.42) 24.13,98.42 ; v1(51.43,98.42) v1(38.1,98.42) ; 15.24,98.42 v1(55.88,98.42) v1(64.77,98.42) v1(60.32,98.42) ; v1(60.32,98.42) 59.69,98.42 ; v1(60.32,98.42) v1(100.33,98.42) v1(109.22,98.42) v1(104.78,98.42) 104.14,98.42 ; v1(20.32,107.31) v1(29.21,107.31) v1(24.77,107.31) 24.13,107.31 ; v1(51.43,116.2) v1(38.1,116.2) ; v1(131.44,160.66) v1(118.11,160.66) ; 95.89,160.66 v1(135.89,160.66) v1(144.78,160.66) v1(140.33,160.66) 139.7,160.66 ; v1(15.87,151.76) v1(2.54,151.76) 0.82,151.76 v2(0.73,151.67) ; v1(20.32,151.76) v1(29.21,151.76) v1(24.77,151.76) 24.13,151.76 ; v1(60.32,151.76) v1(64.77,151.76) v1(55.88,151.76) 40.82,151.76 ; v1(60.32,151.76) 59.69,151.76 ; v1(60.32,151.76) v1(100.33,151.76) v1(109.22,151.76) v1(104.78,151.76) 104.14,151.76 ; v1(60.32,169.54) v1(64.77,169.54) v1(55.88,169.54) 55.79,169.64 55.15,169.64 ; v1(60.32,169.54) 59.69,169.54 ; v1(60.32,169.54) v1(100.33,169.54) v1(109.22,169.54) v1(104.78,169.54) 104.14,169.54 ; v1(82.55,169.54) v1(95.89,169.54) v1(135.89,169.54) v1(144.78,169.54) v1(140.33,169.54) 139.7,169.54 ; v1(131.44,169.54) v1(118.11,169.54) ; v1(15.87,160.66) v1(2.54,160.66) 0.82,160.66 v2(0.73,160.56) ; v1(20.32,160.66) v1(29.21,160.66) v1(24.77,160.66) 24.13,160.66 ; v1(51.43,160.66) v1(38.1,160.66) ; 15.24,160.66 v1(55.88,160.66) v1(64.77,160.66) v1(60.32,160.66) 59.69,160.66 ; v1(95.89,160.55) v1(82.55,160.55) ; 60.32,160.55 v1(100.33,160.55) v1(109.22,160.55) v1(104.78,160.55) 104.14,160.55 ; v1(82.55,151.76) v1(95.89,151.76) v1(135.89,151.76) v1(144.78,151.76) v1(140.33,151.76) 139.7,151.76 ; v1(131.44,151.76) v1(118.11,151.76) ; v1(20.32,142.88) v1(29.21,142.88) v1(24.77,142.88) 24.13,142.88 ; v1(51.43,142.88) v1(38.1,142.88) ; 15.24,142.88 v1(55.88,142.88) v1(64.77,142.88) v1(60.32,142.88) ; v1(60.32,142.88) 59.69,142.88 ; v1(60.32,142.88) 60.38,142.93 100.27,142.93 v1(100.33,142.88) v1(109.22,142.88) v1(104.78,142.88) 104.14,142.88 ; v1(82.55,142.88) v1(95.89,142.88) v1(135.89,142.88) v1(144.78,142.88) v1(140.33,142.88) 139.7,142.88 ; v1(131.44,142.88) v1(118.11,142.88) ; v1(82.55,98.42) v1(95.89,98.42) v1(135.89,98.42) v1(144.78,98.42) v1(140.33,98.42) 139.7,98.42 ; v1(131.44,98.42) v1(118.11,98.42) ; v1(15.87,89.53) v1(2.54,89.53) 0.82,89.53 v2(0.73,89.63) ; v1(20.32,89.53) v1(29.21,89.53) v1(24.77,89.53) 24.13,89.53 ; v1(51.43,89.53) v1(38.1,89.53) ; v1(60.32,89.53) v1(64.77,89.53) v1(55.88,89.53) 55.82,89.59 15.3,89.59 15.24,89.53 ; v1(60.32,89.53) 59.69,89.53 ; v1(60.32,89.53) v1(100.33,89.53) v1(109.22,89.53) v1(104.78,89.53) 104.14,89.53 ; v1(82.55,89.53) v1(95.89,89.53) v1(135.89,89.53) v1(144.78,89.53) v1(140.33,89.53) 139.7,89.53 ; v1(131.44,89.53) v1(118.11,89.53) ; v1(15.87,133.98) v1(2.54,133.98) 0.82,133.98 v2(0.73,134.08) ; v1(20.32,133.98) v1(29.21,133.98) v1(24.77,133.98) 24.13,133.98 ; v1(51.43,133.98) v1(38.1,133.98) ; 15.24,133.98 v1(55.88,133.98) v1(64.77,133.98) v1(60.32,133.98) ; v1(60.32,133.98) 59.69,133.98 ; v1(60.32,133.98) v1(100.33,133.98) v1(109.22,133.98) v1(104.78,133.98) 104.14,133.98 ; v1(82.55,133.98) v1(95.89,133.98) v1(135.89,133.98) v1(144.78,133.98) v1(140.33,133.98) 139.7,133.98 ; v1(131.44,133.98) v1(118.11,133.98) ; v1(20.32,125.09) v1(29.21,125.09) v1(24.77,125.09) 24.13,125.09 ; v1(60.32,125.09) v1(64.77,125.09) v1(55.88,125.09) 44.63,125.09 ; v1(60.32,125.09) 59.69,125.09 ; v1(60.32,125.09) v1(100.33,125.09) v1(109.22,125.09) v1(104.78,125.09) 104.14,125.09 ; v1(82.55,125.09) v1(95.89,125.09) 95.98,125.19 135.8,125.19 v1(135.89,125.09) v1(144.78,125.09) v1(140.33,125.09) 139.7,125.09 ; v1(131.44,125.09) v1(118.11,125.09) ; v1(15.87,116.2) v1(2.54,116.2) 0.82,116.2 v2(0.73,116.3) ; v1(20.32,116.2) v1(29.21,116.2) v1(24.77,116.2) 24.13,116.2 ; v1(20.32,80.64) v1(29.21,80.64) v1(24.77,80.64) 24.13,80.64 ; v1(51.43,80.64) v1(38.1,80.64) ; v1(60.32,80.64) v1(64.77,80.64) v1(55.88,80.64) 37.9,80.64 37.81,80.74 15.33,80.74 15.24,80.64 ; v1(60.32,80.64) 59.69,80.64 ; v1(60.32,80.64) v1(100.33,80.64) v1(109.22,80.64) ; v1(95.89,80.64) v1(82.55,80.64) ; v1(109.22,80.64) v1(104.78,80.64) 104.14,80.64 ; v1(109.22,80.64) v1(127,80.64) v1(131.44,80.64) v1(135.89,80.64) v1(140.33,80.64) v1(144.78,80.64) ; v1(60.29,54.14) 60.27,54.11 v1(55.75,54.11) ; 91.71,54.25 108.95,54.25 ; 40.82,151.76 40.43,151.37 ; 40.82,151.76 40.43,151.37 ; 40.82,151.76 v1(51.43,151.76) ; 40.43,151.37 38.12,151.37 v1(38.1,151.35) ; 40.43,151.37 33.7,151.37 33.55,151.22 32.49,151.22 32.04,151.67 15.33,151.67 15.24,151.76 ; 55.15,169.64 55.24,169.54 ; 55.15,169.64 51.53,169.64 v1(51.43,169.54) v1(38.1,169.54) v1(29.21,169.54) 28.94,169.82 ; v2(0.73,81.19) 1.27,80.64 v1(2.54,80.64) 2.81,80.37 15.6,80.37 v1(15.87,80.64) ; v2(0.73,54.07) 10.64,54.07 v1(11.1,53.6) 11.47,53.97 ; 11.47,53.97 11.74,54.25 108.95,54.25 ; 11.47,53.97 v1(29.21,53.97) ; 108.95,54.25 v1(109.22,53.97) 109.49,54.25 140.06,54.25 v1(140.33,53.97) v1(144.78,53.97) ; v1(55.88,22.86) v1(60.32,22.86) v1(64.77,22.86) v1(69.22,22.86) v1(73.66,22.86) v1(78.11,22.86) v1(82.55,22.86) 83.19,22.86 83.46,22.59 105.77,22.59 ; 51.8,23.13 42.82,23.13 v1(42.54,22.86) v1(38.1,22.86) v1(33.66,22.86) v1(29.21,22.86) v1(24.77,22.86) v1(20.32,22.86) v1(15.87,22.86) v1(11.43,22.86) v1(6.99,22.86) v1(2.54,22.86) 0.82,22.86 v2(0.73,22.95) ; v2(0.73,40.55) 0.82,40.64 v1(60.32,40.64) 60.6,40.37 100.06,40.37 v1(100.33,40.64) ; v2(0.73,31.66) 0.82,31.75 v1(6.99,31.75) v1(12.06,31.75) v1(15.87,31.75) v1(20.32,31.75) 24.77,31.75 v1(24.87,31.86) 24.98,31.75 v1(29.84,31.75) v1(33.66,31.75) v1(38.2,31.75) v1(42.54,31.75) v1(64.77,31.75) v1(100.33,31.75) v1(109.22,31.75) v1(113.67,31.75) v1(118.11,31.75) v1(122.55,31.75) v1(127,31.75) v1(131.44,31.75) v1(135.89,31.75) v1(140.97,31.75) v1(144.78,31.75) ; 44.24,124.7 44.63,125.09 ; 44.24,124.7 38.49,124.7 v1(38.1,125.09) ; 44.24,124.7 38.95,124.7 38.56,125.09 15.24,125.09 ; 44.24,124.7 44.63,125.09 ; 44.63,125.09 v1(51.43,125.09) ; v2(0.73,125.19) 0.82,125.09 v1(2.54,125.09) 2.81,124.82 14.77,124.82 15.04,125.09 v1(15.87,125.09) ; v1(55.88,187.32) 56.51,187.32 ; 56.51,187.32 v1(29.21,187.32) v1(24.77,187.32) v1(20.32,187.32) v2(0.73,187.32) ; v2(0.73,107.41) 0.82,107.31 v1(2.54,107.31) 2.81,107.04 15.6,107.04 v1(15.87,107.31) ; v2(0.73,169.64) 0.82,169.54 v1(2.54,169.54) 2.81,169.82 15.6,169.82 v1(15.87,169.54) v1(20.32,169.54) 20.59,169.82 28.94,169.82 ; v1(64.77,71.75) v1(42.54,71.75) ; v2(0.73,142.33) 1.27,142.88 v1(2.54,142.88) 2.81,142.6 15.6,142.6 v1(15.87,142.88) ; v1(145.38,62.9) v1(140.37,62.9) v1(135.93,62.9) v1(131.48,62.9) v1(127.04,62.9) v1(109.26,62.9) v1(104.74,62.9) v1(100.3,62.9) v1(95.92,62.9) v1(91.4,62.9) v1(29.22,62.9) 29.21,62.9 v1(11.44,62.9) 0.78,62.9 v2(0.73,62.96) ; v1(114.3,5.08) v1(113.67,5.08) v1(78.11,5.08) v1(69.22,5.08) v1(33.66,5.08) v1(24.77,5.08) v1(20.32,5.08) v1(11.43,5.08) v1(6.99,5.08) v1(2.54,5.08) 0.82,5.08 v2(0.73,4.99) ; v1(64.71,54.14) 47.19,54.14 v1(46.66,53.6) ; 55.68,22.86 55.14,22.32 54.08,22.32 53.54,22.86 v1(51.43,22.86) 51.16,23.13 ; v1(118,107.42) 118.11,107.31 v1(131.44,107.31)